# Altium PCB Thunderscope_Rev3.PCBDOC (part 2 of 6)
Units mm, origin at the board's own origin, x right, y up, seen from the top; angles counter-clockwise.
Board outline 119 x 104 mm, 6 copper layers (Top Layer, Int1 (GND), Int2 (Sign), Int3 (Sign), Int4 (GND), Bottom Layer), stack 1.49 mm thick; 575 components, 342 nets, 2000 pads, 1216 vias.
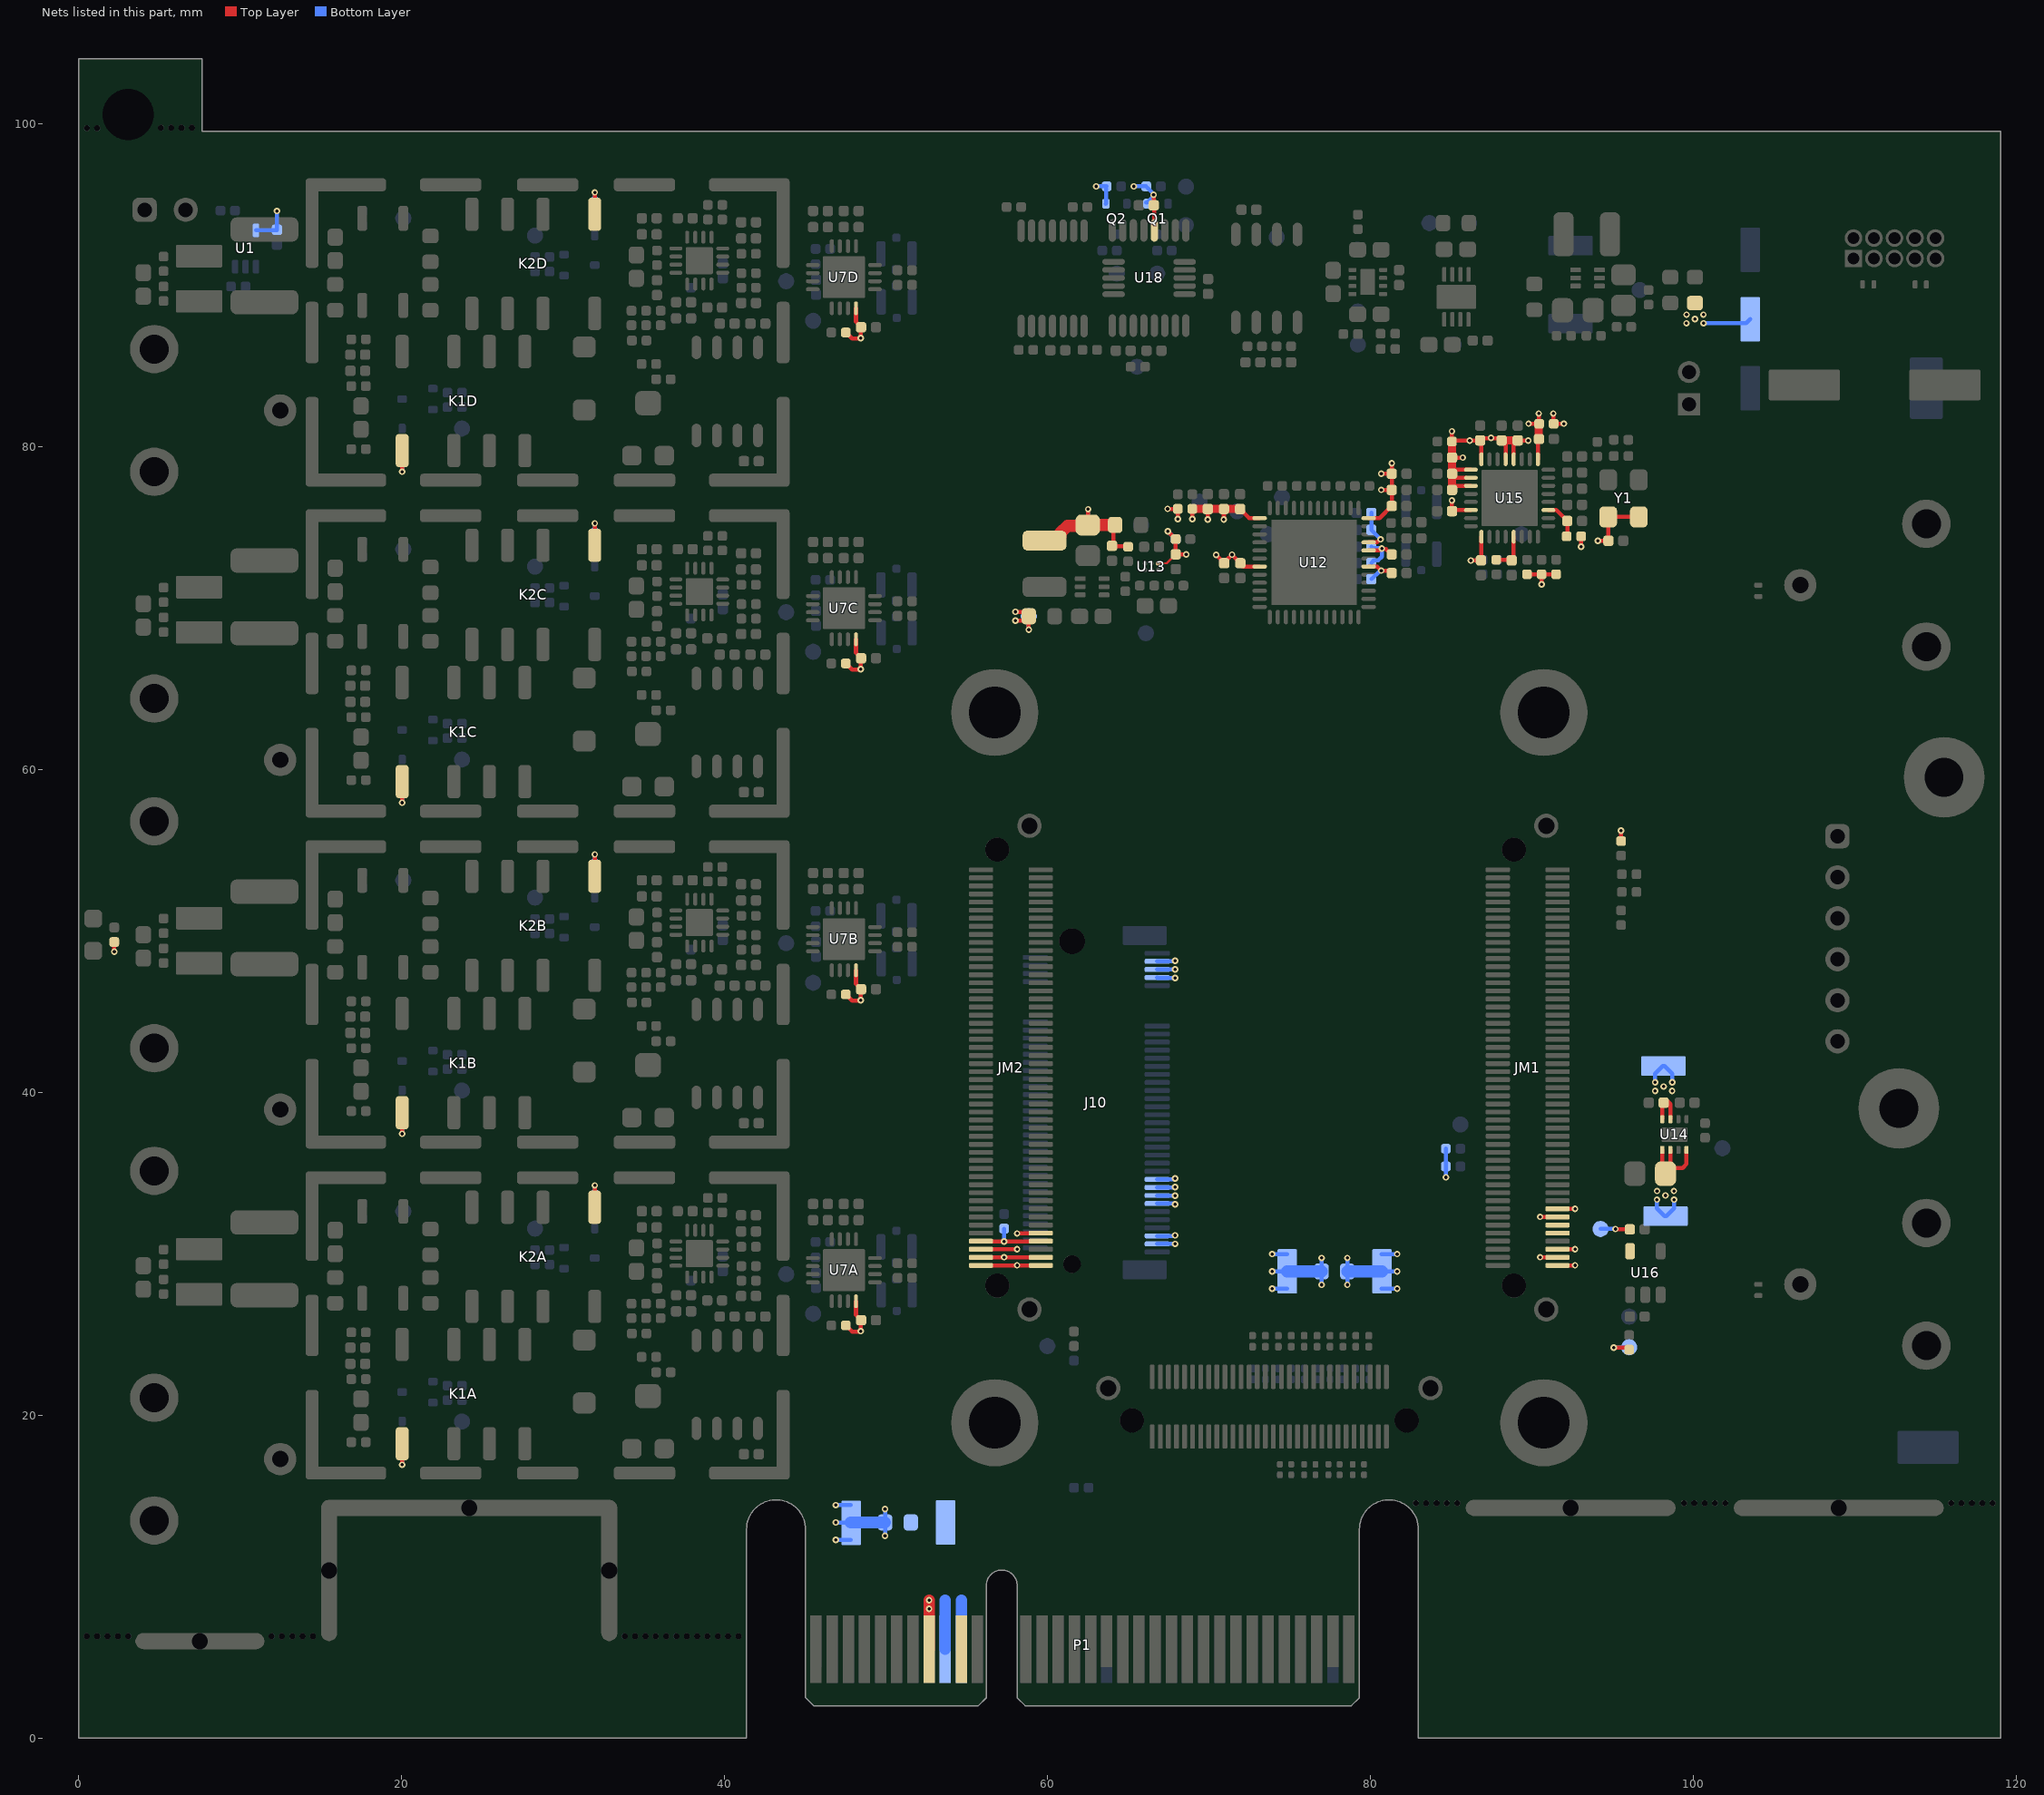
[diagram p6: the nets of this part, all layers, seen from the top]

## Components (designator, comment, footprint, x,y, rotation, side; value= is the part's Value field where it differs from the comment) (continued)
TP26B "PCB" GEN_TP_PCB 45.475,46.775 r90 bottom (schematic designator TP26)
TP26C "PCB" GEN_TP_PCB 45.475,67.275 r90 bottom (schematic designator TP26)
TP26D "PCB" GEN_TP_PCB 45.475,87.775 r90 bottom (schematic designator TP26)
TP27 "PCB" GEN_TP_PCB 61.975,69.475 r0 bottom
TP28 "PCB" GEN_TP_PCB 58.825,69.475 r90 bottom
TP29 "PCB" GEN_TP_PCB 69.4,76.575 r180 bottom
TP30 "PCB" GEN_TP_PCB 96,26.1 r90 bottom
TP31 "PCB" GEN_TP_PCB 94.225,31.525 r90 bottom
TP32 "5015" KEY_5015 98.25,32.325 r180 bottom
TP33 "PCB" GEN_TP_PCB 101.775,36.525 r180 bottom
TP34 "PCB" GEN_TP_PCB 73.625,74.55 r270 bottom
TP35 "PCB" GEN_TP_PCB 71.725,75.975 r270 bottom
TP36 "PCB" GEN_TP_PCB 65.775,75.125 r90 bottom
TP37 "PCB" GEN_TP_PCB 66.075,68.425 r90 bottom
TP38 "PCB" GEN_TP_PCB 62.475,75.125 r90 bottom
TP39 "PCB" GEN_TP_PCB 59.975,24.275 r90 bottom
TP40 "5015" KEY_5015 53.675,13.35 r90 bottom
TP41 "5015" KEY_5015 47.825,13.325 r270 bottom
TP42 "PCB" GEN_TP_PCB 68.56,96.08 r270 bottom
TP43 "PCB" GEN_TP_PCB 68.55,93.7 r270 bottom
TP44 "PCB" GEN_TP_PCB 89.325,74.55 r90 bottom
TP45 "5015" KEY_5015 74.825,28.9 r90 bottom
TP46 "5015" KEY_5015 80.7,28.9 r90 bottom
TP47 "5015" KEY_5015 98.125,41.625 r0 bottom
U1 "SN74LVC1G17" GEN_SC-70-5 10.325,92.25 r90 bottom
U2 "TPS61023" TI_SOT563_DRL0006A 93.425,90.425 r180 top
U3 "ADM7171ACPZ-5.0" AD_DFN8_CP-8-21 85.3,89.25 r90 top
U4 "LM27761" TI_WSON8_DSG0008A 79.816,90.176 r0 top
U5 "OP07CDR" TI_SOIC8_D0008A 73.555,90.4 r90 top
U6 "MCP4728" MC_MSOP10_UN 66.275,90.425 r180 top
U7A "LMH6518" TI_WQFN_RGH0016A 47.375,28.975 r270 top (schematic designator U7)
U7B "LMH6518" TI_WQFN_RGH0016A 47.375,49.475 r270 top (schematic designator U7)
U7C "LMH6518" TI_WQFN_RGH0016A 47.375,69.975 r270 top (schematic designator U7)
U7D "LMH6518" TI_WQFN_RGH0016A 47.375,90.475 r270 top (schematic designator U7)
U8A "BUF802" TI_VQFN_RGT0016C 38.425,30 r0 top (schematic designator U8)
U8B "BUF802" TI_VQFN_RGT0016C 38.425,50.5 r0 top (schematic designator U8)
U8C "BUF802" TI_VQFN_RGT0016C 38.425,71 r0 top (schematic designator U8)
U8D "BUF802" TI_VQFN_RGT0016C 38.425,91.5 r0 top (schematic designator U8)
U9A "OP07CDR" TI_SOIC8_D0008A 40.15,21.9 r90 top (schematic designator U9)
U9B "OP07CDR" TI_SOIC8_D0008A 40.15,42.4 r90 top (schematic designator U9)
U9C "OP07CDR" TI_SOIC8_D0008A 40.15,62.9 r90 top (schematic designator U9)
U9D "OP07CDR" TI_SOIC8_D0008A 40.15,83.4 r90 top (schematic designator U9)
U10A "CPC1019NTR" IXY_CPC1017 18.825,29.925 r180 top (schematic designator U10)
U10B "CPC1019NTR" IXY_CPC1017 18.825,50.425 r180 top (schematic designator U10)
U10C "CPC1019NTR" IXY_CPC1017 18.825,70.925 r180 top (schematic designator U10)
U10D "CPC1019NTR" IXY_CPC1017 18.825,91.425 r180 top (schematic designator U10)
U11 "TPS62A01" TI_SOT563_DRL0006A 62.75,71.3 r0 top
U12 "HMCAD1511" AD_QFN48_LP7 76.493,72.8 r0 top
U13 "LD57100JR" ST_FlipChip6 66.425,72.55 r90 top
U14 "TPS22975" TI_WSON8_DSG0008A 98.8,37.375 r90 top
U15 "ZL30250LDG1" MC_QFN32_ZL30250 88.6,76.8 r180 top
U16 "TPS7A2025" GEN_SOT23_5_950_2900X1600X1450 97,28.8 r90 top
U17 "MCP4432T-503E" MC_TSSOP14 60.3,90.4 r270 top
U18 "DAC8574" TI_TSSOP16_PW0016A 66.275,90.425 r90 top
VAR1A "ZV40K1210251NIR1HT" GEN_VAR_1210 7.45,28.875 r90 top (schematic designator VAR1)
VAR1B "ZV40K1210251NIR1HT" GEN_VAR_1210 7.45,49.375 r90 top (schematic designator VAR1)
VAR1C "ZV40K1210251NIR1HT" GEN_VAR_1210 7.45,69.875 r90 top (schematic designator VAR1)
VAR1D "ZV40K1210251NIR1HT" GEN_VAR_1210 7.45,90.375 r90 top (schematic designator VAR1)
Y1 "10MHz" ECS_TXO-3225 95.65,76.775 r90 top

## Footprints (in the part's own frame and the unit in brackets; to place one, negate y for a bottom-side part, rotate by r counter-clockwise, add the part's x,y. Pads: shape width x height; smd on the part's side, far side on the other; paste and mask are expansions set on the pad)
AD_DFN8_CP-8-21 [mm] "SON, 8-Leads, Body 3.00x3.00mm, Pitch 0.50mm, Thermal Pad 2.44x1.49mm, IPC Medium Density"
  rrect50% 0.9x0.25 smd: 1(-1.395,0.75) 2(-1.395,0.25) 3(-1.395,-0.25) 4(-1.395,-0.75) 5(1.395,-0.75) 6(1.395,-0.25) 7(1.395,0.25) 8(1.395,0.75)
  rrect10% 1.49x2.44 smd paste-0.745: 9(0,0)
  silkscreen extent -2.15,-1.7 1.7,1.75, body extent -1.55,-1.55 1.55,1.55, height 0.8
AD_QFN48_LP7 [mm] "QFN, 48-Leads, Body 7.00x7.00mm, Pitch 0.50mm, Thermal Pad 5.28x5.28mm, IPC Medium Density"
  oval 0.9x0.25 smd: 1(-3.375,2.75) 2(-3.375,2.25) 3(-3.375,1.75) 4(-3.375,1.25) 5(-3.375,0.75) 6(-3.375,0.25) 7(-3.375,-0.25) 8(-3.375,-0.75) 9(-3.375,-1.25) 10(-3.375,-1.75) 11(-3.375,-2.25) 12(-3.375,-2.75) 25(3.375,-2.75) 26(3.375,-2.25) 27(3.375,-1.75) 28(3.375,-1.25) 29(3.375,-0.75) 30(3.375,-0.25) 31(3.375,0.25) 32(3.375,0.75) 33(3.375,1.25) 34(3.375,1.75) 35(3.375,2.25) 36(3.375,2.75)
  oval 0.25x0.9 smd: 13(-2.75,-3.375) 14(-2.25,-3.375) 15(-1.75,-3.375) 16(-1.25,-3.375) 17(-0.75,-3.375) 18(-0.25,-3.375) 19(0.25,-3.375) 20(0.75,-3.375) 21(1.25,-3.375) 22(1.75,-3.375) 23(2.25,-3.375) 24(2.75,-3.375) 37(2.75,3.375) 38(2.25,3.375) 39(1.75,3.375) 40(1.25,3.375) 41(0.75,3.375) 42(0.25,3.375) 43(-0.25,3.375) 44(-0.75,3.375) 45(-1.25,3.375) 46(-1.75,3.375) 47(-2.25,3.375) 48(-2.75,3.375)
  rect 5.28x5.28 smd paste-5.28: 49(0,0)
  silkscreen extent -4.42,-3.65 3.65,3.65, body extent -3.5,-3.5 3.5,3.5, height 1
BOU_3mm_POT [mm]
  rrect50% 1.2x1.2 smd: 1(-1,-1.55) 3(1,-1.55)
  rrect50% 1.6x1.5 smd: 2(0,1.7)
  silkscreen extent -1.5,-0.8 1.5,1.9, body extent -1.8,-1.76 1.8,2.2, height 1.13
BOU_2051 [mm]
  rrect50% 1.5x4.2 smd: 1(-2.25,0) 2(2.25,0)
  silkscreen extent -1.3,-1.6 1.3,1.6, body extent -2.25,-1.6 2.25,1.6, height 2.7
ECS_TXO-3225 [mm]
  rrect50% 1.3x1.1 smd: 1(-1.15,-0.95) 2(1.15,-0.95) 3(1.15,0.95) 4(-1.15,0.95)
  silkscreen extent -2.05,-1.78 -1.85,-1.58, body extent -1.6,-1.25 1.6,1.25, height 0.8
EW_TRIMCAP [mm]
  rrect50% 1.4x1.3 smd: 1(0,1.95) 2(0,-1.95)
  silkscreen extent -1.6,-2.3 1.6,2.3, body extent -1.6,-2.3 1.6,2.3, height 1.5
FUJ_FTR-B3SA [mm]
  rrect50% 0.8x2.06 smd: 1(-3.8,-3.07) 2(-0.6,-3.07) 3(1.6,-3.07) 4(3.8,-3.07) 5(3.8,3.07) 6(1.6,3.07) 7(-0.6,3.07) 8(-3.8,3.07)
  silkscreen extent -5.3,-3.6 5.3,3.6, body extent -5.43,-3.73 5.43,3.73, height 5.45
GEN_1.27mm_2x5_Pin_TH_RA [mm]
  rect 1.09x1.09 hole 0.74: 1(-2.54,-0.635)
  round 1.09 hole 0.74: 2(-2.54,0.635) 3(-1.27,-0.635) 4(-1.27,0.635) 5(0,-0.635) 6(0,0.635) 7(1.27,-0.635) 8(1.27,0.635) 9(2.54,-0.635) 10(2.54,0.635)
  silkscreen extent -7.1,-0.73 6.35,7.23, body extent -6.35,-0.84 6.35,7.23, height 5.6
GEN_2.54mm_1x2_Pin_TH_RA [mm]
  rrect50% 1.5x1.5 hole 0.9: 1(-1.27,0)
  round 1.5 hole 0.9: 2(1.27,0)
  silkscreen extent -2.54,-1.27 2.54,1.27, body extent -11.18,-1.27 1.58,1.27, height 5.54
GEN_2.54mm_6_Pin_TH_RA [mm]
  rrect50% 1.5x1.5 hole 0.9: 1(-6.35,0)
  round 1.5 hole 0.9: 2(-3.81,0) 3(-1.27,0) 4(1.27,0) 5(3.81,0) 6(6.35,0)
  silkscreen extent -7.62,-1.27 7.62,1.27, body extent -7.62,-0.3 7.62,10.06, height 2.54
GEN_C_0201 [mm] "Chip Capacitor, 2-Leads, Body 0.60x0.30mm, IPC Medium Density"
  rrect50% 0.46x0.42 smd: 1(-0.34,0) 2(0.34,0)
  silkscreen extent -0.75,-0.4 0.75,0.4, body extent -0.32,-0.17 0.32,0.17, height 0.33
GEN_C_0402 [mm] "Chip Capacitor, 0402, IPC Medium Density"
  rrect50% 0.64x0.64 smd: 1(-0.46,0) 2(0.46,0)
  silkscreen extent -0.95,-0.5 0.95,0.5, body extent -0.55,-0.3 0.55,0.3, height 0.6
GEN_C_0603 [mm] "Chip Capacitor, 2-Leads, Body 1.60x0.80mm, IPC Medium Density"
  rrect50% 1.05x0.95 smd: 1(-0.725,0) 2(0.725,0)
  silkscreen extent -1.5,-0.75 1.5,0.75, body extent -0.85,-0.45 0.85,0.45, height 0.9
GEN_C_0805 [mm] "Chip Capacitor, 2-Leads, Body 2.00x1.25mm, IPC Medium Density"
  rrect50% 1.3x1.5 smd: 1(-0.95,0) 2(0.95,0)
  silkscreen extent -1.8,-0.95 1.8,0.95, body extent -1.1,-0.72 1.1,0.72, height 1.45
GEN_C_POLAR_10mm [mm]
  rrect10% 4.4x1.9 smd: 1(-4.35,0) 2(4.35,0)
  silkscreen extent -6.45,-5.15 5.15,5.15, body extent -5.5,-5.15 5.5,5.15, height 10.4
GEN_L_1210 [mm] "Chip Inductor, 2-Leads, Body 3.20x2.50mm, IPC Medium Density"
  rrect50% 1.23x2.72 smd: 1(-1.435,0) 2(1.435,0)
  silkscreen extent -2.3,-1.65 2.3,1.65, body extent -1.7,-1.35 1.7,1.35, height 1.2
GEN_R_0201 [mm] "Chip Resistor, 2-Leads, Body 0.60x0.30mm, IPC Medium Density"
  rrect50% 0.4x0.35 smd: 1(-0.325,0) 2(0.325,0)
  silkscreen extent -0.7,-0.35 0.7,0.35, body extent -0.32,-0.17 0.32,0.17, height 0.26
GEN_R_0402 [mm] "Chip Resistor, 2-Leads, Body 1.00x0.50mm, IPC Medium Density"
  rrect50% 0.6x0.6 smd: 1(-0.45,0) 2(0.45,0)
  silkscreen extent -0.92,-0.48 0.92,0.48, body extent -0.55,-0.3 0.55,0.3, height 0.4
GEN_R_0603 [mm]
  rrect50% 0.9x1 smd: 1(-0.8,0) 2(0.8,0)
  silkscreen extent -1.5,-0.75 1.5,0.75, body extent -0.9,-0.5 0.9,0.5, height 0.6
GEN_SC-70-5 [mm] "SOT23, 5-Leads, Body 2.00x2.10mm, Pitch 0.65mm, IPC Medium Density"
  rrect50% 0.85x0.4 smd: 1(-1.125,0.65) 2(-1.125,0) 3(-1.125,-0.65) 4(1.125,-0.65) 5(1.125,0.65)
  silkscreen extent -1.25,-1.1 0.3,1.53, body extent -1.2,-1.07 1.2,1.07, height 1.1
GEN_SOD_323 [mm]
  rrect50% 0.59x0.45 smd: 1(-1.055,0) 2(1.055,0)
  silkscreen extent -0.9,-0.7 0.9,0.7, body extent -1.03,-0.83 1.03,0.83, height 1.1
GEN_SOT23_5_950_2900X1600X1450 [mm] "SOT23, 5-Leads, Body 2.90x2.80mm, Pitch 0.95mm, IPC Medium Density"
  rrect50% 1x0.6 smd: 1(-1.35,0.95) 2(-1.35,0) 3(-1.35,-0.95) 4(1.35,-0.95) 5(1.35,0.95)
  silkscreen extent -1.47,-1.5 0.45,1.92, body extent -1.5,-1.5 1.5,1.5, height 1.45
GEN_SOT_323 [mm]
  rrect50% 0.47x0.6 smd: 1(0,0.95) 2(-0.65,-0.95) 3(0.65,-0.95)
  silkscreen extent -1.1,-0.7 1.1,0.7, body extent -1.23,-0.83 1.23,0.83, height 1.1
GEN_TP_PCB [mm]
  round 1 smd paste-1: 1(0,0)
GEN_VAR_1210 [mm] "Chip Varistor, 2-Leads, Body 3.20x2.54mm, IPC Medium Density"
  rrect10% 1.4x2.85 smd: 1(-1.4,0) 2(1.4,0)
  silkscreen extent -0.3,-1.32 0.3,1.33, body extent -1.75,-1.42 1.75,1.42, height 2.87
IXY_CPC1017 [mm]
  rrect50% 0.6x1.54 smd: 1(-1.27,-2.695) 2(1.27,-2.695) 3(1.27,2.695) 4(-1.27,2.695)
  silkscreen extent -2,-1.9 2,1.9, body extent -2.13,-2.03 2.13,2.03, height 2
JST_B2B-PH-K-S(LF)(SN) [mm]
  rect 1.368x1.368 hole 0.86: 1(1,-0.55)
  round 1.368 hole 0.86: 2(-1,-0.55)
  silkscreen extent -2.95,-2.25 3.7,2.25, body extent -2.95,-2.25 2.95,2.25, height 6
KEY_5015 [mm] "PC TEST POINT MICRO MINIATURE"
  rrect10% 2.75x1.2 smd: 1(0,0)
  body extent -1.56,-0.51 1.56,0.51, height 1.52
KEY_5019 [mm] "PC TEST POINT MINIATURE"
  rrect10% 3.8x2.03 smd: 1(0,0)
  body extent -1.91,-1 1.91,1.03, height 2.29
LED_0603_LTST-S270K [mm]
  rrect50% 1.1x1.1 smd: 1(-1,0) 2(1,0)
  silkscreen extent -0.2,-0.4 0.2,0.4, body extent -0.82,-0.33 0.82,0.82, height 0.6
MC_MSOP10_UN [mm] "TSSOP, 10-Leads, Body 3.00x3.00mm, Pitch 0.50mm, IPC Medium Density"
  oval 1.4x0.35 smd: 1(-2.2,1) 2(-2.2,0.5) 3(-2.2,0) 4(-2.2,-0.5) 5(-2.2,-1) 6(2.2,-1) 7(2.2,-0.5) 8(2.2,0) 9(2.2,0.5) 10(2.2,1)
  silkscreen extent -2.33,-1.5 1.1,1.85, body extent -2.45,-1.5 2.45,1.5, height 1.1
MC_QFN32_ZL30250 [mm] "QFN, 32-Leads, Body 5.00x5.00mm, Pitch 0.50mm, Thermal Pad 3.50x3.50mm, IPC Medium Density"
  oval 0.85x0.25 smd: 1(-2.4,1.75) 2(-2.4,1.25) 3(-2.4,0.75) 4(-2.4,0.25) 5(-2.4,-0.25) 6(-2.4,-0.75) 7(-2.4,-1.25) 8(-2.4,-1.75) 17(2.4,-1.75) 18(2.4,-1.25) 19(2.4,-0.75) 20(2.4,-0.25) 21(2.4,0.25) 22(2.4,0.75) 23(2.4,1.25) 24(2.4,1.75)
  oval 0.25x0.85 smd: 9(-1.75,-2.4) 10(-1.25,-2.4) 11(-0.75,-2.4) 12(-0.25,-2.4) 13(0.25,-2.4) 14(0.75,-2.4) 15(1.25,-2.4) 16(1.75,-2.4) 25(1.75,2.4) 26(1.25,2.4) 27(0.75,2.4) 28(0.25,2.4) 29(-0.25,2.4) 30(-0.75,2.4) 31(-1.25,2.4) 32(-1.75,2.4)
  rrect5% 3.5x3.5 smd paste-3.5: 33(0,0)
  silkscreen extent -3.43,-2.65 2.65,2.65, body extent -2.5,-2.5 2.5,2.5, height 1
MC_TSSOP14 [mm] "TSOP, 14-Leads, Body 5.00x4.40mm, Pitch 0.65mm, IPC Medium Density"
  oval 1.4x0.45 smd: 1(-2.95,1.95) 2(-2.95,1.3) 3(-2.95,0.65) 4(-2.95,0) 5(-2.95,-0.65) 6(-2.95,-1.3) 7(-2.95,-1.95) 8(2.95,-1.95) 9(2.95,-1.3) 10(2.95,-0.65) 11(2.95,0) 12(2.95,0.65) 13(2.95,1.3) 14(2.95,1.95)
  silkscreen extent -3.07,-2.55 1.85,2.85, body extent -3.2,-2.55 3.2,2.55, height 1.2
"MH M3" [mm]
  round 5.4 hole 3.2 unplated: 1(0,0)
MOL_0731000105 [mm] "Molex BNC Jack, TH Right Angle"
  round 2 hole 1: 1(0,-3.9)
  round 3 hole 1.8: 2(-3.8,3.9) 2(3.8,3.9)
  silkscreen extent -4.8,-0.3 4.8,8.5, body extent -4.83,-4.08 4.83,21.47, height 9.14
PCIeX4-GF-2D-1000-1K-O64 [mm] "Golden finger, PCIeX4, Dual, Opposite, Pitch 1mm, 64-Position"
  rect 0.7x3.2 smd far side paste-1: A1(-9.5,0.5)
  rect 0.7x4.2 smd far side paste-1: A2(-8.5,0) A3(-7.5,0) A4(-6.5,0) A5(-5.5,0) A6(-4.5,0) A7(-3.5,0) A8(-2.5,0) A9(-1.5,0) A10(-0.5,0) A11(0.5,0) A12(3.5,0) A13(4.5,0) A14(5.5,0) A15(6.5,0) A16(7.5,0) A17(8.5,0) A18(9.5,0) A19(10.5,0) A20(11.5,0) A21(12.5,0) A22(13.5,0) A23(14.5,0) A24(15.5,0) A25(16.5,0) A26(17.5,0) A27(18.5,0) A28(19.5,0) A29(20.5,0) A30(21.5,0) A31(22.5,0) A32(23.5,0)
  rect 0.7x4.2 smd paste-1: B1(-9.5,0) B2(-8.5,0) B3(-7.5,0) B4(-6.5,0) B5(-5.5,0) B6(-4.5,0) B7(-3.5,0) B8(-2.5,0) B9(-1.5,0) B10(-0.5,0) B11(0.5,0) B12(3.5,0) B13(4.5,0) B14(5.5,0) B15(6.5,0) B16(7.5,0) B18(9.5,0) B19(10.5,0) B20(11.5,0) B21(12.5,0) B22(13.5,0) B23(14.5,0) B24(15.5,0) B25(16.5,0) B26(17.5,0) B27(18.5,0) B28(19.5,0) B29(20.5,0) B30(21.5,0) B32(23.5,0)
  rect 0.7x3.2 smd paste-1: B17(8.5,0.5) B31(22.5,0.5)
SAM_LSHM-130-XX.X-XX-DV-A-S [mm]
  rrect50% 0.3x1.5 smd: 1(7.25,-1.85) 2(7.25,1.85) 3(6.75,-1.85) 4(6.75,1.85) 5(6.25,-1.85) 6(6.25,1.85) 7(5.75,-1.85) 8(5.75,1.85) 9(5.25,-1.85) 10(5.25,1.85) 11(4.75,-1.85) 12(4.75,1.85) 13(4.25,-1.85) 14(4.25,1.85) 15(3.75,-1.85) 16(3.75,1.85) 17(3.25,-1.85) 18(3.25,1.85) 19(2.75,-1.85) 20(2.75,1.85) 21(2.25,-1.85) 22(2.25,1.85) 23(1.75,-1.85) 24(1.75,1.85) 25(1.25,-1.85) 26(1.25,1.85) 27(0.75,-1.85) 28(0.75,1.85) 29(0.25,-1.85) 30(0.25,1.85) 31(-0.25,-1.85) 32(-0.25,1.85) 33(-0.75,-1.85) 34(-0.75,1.85) 35(-1.25,-1.85) 36(-1.25,1.85) 37(-1.75,-1.85) 38(-1.75,1.85) 39(-2.25,-1.85) 40(-2.25,1.85) 41(-2.75,-1.85) 42(-2.75,1.85) 43(-3.25,-1.85) 44(-3.25,1.85) 45(-3.75,-1.85) 46(-3.75,1.85) 47(-4.25,-1.85) 48(-4.25,1.85) 49(-4.75,-1.85) 50(-4.75,1.85) 51(-5.25,-1.85) 52(-5.25,1.85) 53(-5.75,-1.85) 54(-5.75,1.85) 55(-6.25,-1.85) 56(-6.25,1.85) 57(-6.75,-1.85) 58(-6.75,1.85) 59(-7.25,-1.85) 60(-7.25,1.85)
  round 1.5 hole 1: 61(9.975,1.15) 62(-9.975,1.15)
  round 1.5 hole 1.5 unplated: ""(-8.5,-0.85) ""(8.5,-0.85)
  silkscreen extent -11.13,-3 11.13,3, body extent -10.4,-2.49 10.4,2.64, height 5.6
SAM_LSHM-150-XX.X-XX-DV-A-S [mm]
  rrect50% 0.3x1.5 smd: 1(12.25,-1.85) 2(12.25,1.85) 3(11.75,-1.85) 4(11.75,1.85) 5(11.25,-1.85) 6(11.25,1.85) 7(10.75,-1.85) 8(10.75,1.85) 9(10.25,-1.85) 10(10.25,1.85) 11(9.75,-1.85) 12(9.75,1.85) 13(9.25,-1.85) 14(9.25,1.85) 15(8.75,-1.85) 16(8.75,1.85) 17(8.25,-1.85) 18(8.25,1.85) 19(7.75,-1.85) 20(7.75,1.85) 21(7.25,-1.85) 22(7.25,1.85) 23(6.75,-1.85) 24(6.75,1.85) 25(6.25,-1.85) 26(6.25,1.85) 27(5.75,-1.85) 28(5.75,1.85) 29(5.25,-1.85) 30(5.25,1.85) 31(4.75,-1.85) 32(4.75,1.85) 33(4.25,-1.85) 34(4.25,1.85) 35(3.75,-1.85) 36(3.75,1.85) 37(3.25,-1.85) 38(3.25,1.85) 39(2.75,-1.85) 40(2.75,1.85) 41(2.25,-1.85) 42(2.25,1.85) 43(1.75,-1.85) 44(1.75,1.85) 45(1.25,-1.85) 46(1.25,1.85) 47(0.75,-1.85) 48(0.75,1.85) 49(0.25,-1.85) 50(0.25,1.85) 51(-0.25,-1.85) 52(-0.25,1.85) 53(-0.75,-1.85) 54(-0.75,1.85) 55(-1.25,-1.85) 56(-1.25,1.85) 57(-1.75,-1.85) 58(-1.75,1.85) 59(-2.25,-1.85) 60(-2.25,1.85) 61(-2.75,-1.85) 62(-2.75,1.85) 63(-3.25,-1.85) 64(-3.25,1.85) 65(-3.75,-1.85) 66(-3.75,1.85) 67(-4.25,-1.85) 68(-4.25,1.85) 69(-4.75,-1.85) 70(-4.75,1.85) 71(-5.25,-1.85) 72(-5.25,1.85) 73(-5.75,-1.85) 74(-5.75,1.85) 75(-6.25,-1.85) 76(-6.25,1.85) 77(-6.75,-1.85) 78(-6.75,1.85) 79(-7.25,-1.85) 80(-7.25,1.85) 81(-7.75,-1.85) 82(-7.75,1.85) 83(-8.25,-1.85) 84(-8.25,1.85) 85(-8.75,-1.85) 86(-8.75,1.85) 87(-9.25,-1.85) 88(-9.25,1.85) 89(-9.75,-1.85) 90(-9.75,1.85) 91(-10.25,-1.85) 92(-10.25,1.85) 93(-10.75,-1.85) 94(-10.75,1.85) 95(-11.25,-1.85) 96(-11.25,1.85) 97(-11.75,-1.85) 98(-11.75,1.85) 99(-12.25,-1.85) 100(-12.25,1.85)
  round 1.5 hole 1: 101(14.975,1.15) 102(-14.975,1.15)
  round 1.5 hole 1.5 unplated: ""(-13.5,-0.85) ""(13.5,-0.85)
  silkscreen extent -16.12,-3 16.12,3, body extent -15.4,-2.49 15.4,2.64, height 5.6
ST_FlipChip6 [mil] "BGA, 6-Leads, Body 0.78x1.18mmx0.36mm, Pitch 0.40mm"
  round 11 smd paste+0 mask+0: A1(-7.88,15.75) A2(7.87,15.75) B1(-7.88,0) B2(7.88,0) C1(-7.87,-15.75) C2(7.88,-15.75)
  silkscreen extent -33,-31 24,41, body extent -16,-24 16,24, height 14
TE_2118728-2 [mm]
  rrect50% 0.8x5.55 smd: 1(-14.581,6.772) 1(-14.579,-6.772) 1(14.579,6.772) 1(14.581,-6.772)
  rrect50% 0.8x3.8 smd: 1(-14.579,0.003) 1(14.581,0.003)
  rrect50% 4.98x0.8 smd: 1(-12.491,9.147) 1(-12.489,-9.147) 1(12.489,9.147) 1(12.491,-9.147)
  rrect50% 3.8x0.8 smd: 1(-6.001,9.147) 1(-5.999,-9.147) 1(-0.001,9.147) 1(0.001,-9.147) 1(5.999,9.147) 1(6.001,-9.147)
  body extent -14.68,-9.25 14.68,9.25, height 7
TE_2334884-1 [mm]
  rrect50% 0.6x0.55 smd: 1(0,-0.975)
  rrect50% 0.58x1.58 smd: 2(-0.96,0) 2(0.96,0)
  rrect50% 0.5x0.5 smd: 2(0,1)
  silkscreen extent -1.05,-1.25 1,1, body extent -1,-1 1,1, height 0.6
TE_M2_KEYM_2199230 [mil]
  rrect50% 12x61 smd paste+0 mask+0: 1(-364.17,148.62) 2(-354.33,-148.62) 3(-344.49,148.62) 4(-334.65,-148.62) 5(-324.8,148.62) 6(-314.96,-148.62) 7(-305.12,148.62) 8(-295.28,-148.62) 9(-285.43,148.62) 10(-275.59,-148.62) 11(-265.75,148.62) 12(-255.91,-148.62) 13(-246.06,148.62) 14(-236.22,-148.62) 15(-226.38,148.62) 16(-216.54,-148.62) 17(-206.69,148.62) 18(-196.85,-148.62) 19(-187.01,148.62) 20(-177.17,-148.62) 21(-167.32,148.62) 22(-157.48,-148.62) 23(-147.64,148.62) 24(-137.8,-148.62) 25(-127.95,148.62) 26(-118.11,-148.62) 27(-108.27,148.62) 28(-98.43,-148.62) 29(-88.58,148.62) 30(-78.74,-148.62) 31(-68.9,148.62) 32(-59.06,-148.62) 33(-49.21,148.62) 34(-39.37,-148.62) 35(-29.53,148.62) 36(-19.69,-148.62) 37(-9.84,148.62) 38(0,-148.62) 39(9.84,148.62) 40(19.69,-148.62) 41(29.53,148.62) 42(39.37,-148.62) 43(49.21,148.62) 44(59.06,-148.62) 45(68.9,148.62) 46(78.74,-148.62) 47(88.58,148.62) 48(98.43,-148.62) 49(108.27,148.62) 50(118.11,-148.62) 51(127.95,148.62) 52(137.8,-148.62) 53(147.64,148.62) 54(157.48,-148.62) 55(167.32,148.62) 56(177.17,-148.62) 57(187.01,148.62) 58(196.85,-148.62) 67(285.43,148.62) 68(295.28,-148.62) 69(305.12,148.62) 70(314.96,-148.62) 71(324.8,148.62) 72(334.65,-148.62) 73(344.49,148.62) 74(354.33,-148.62) 75(364.17,148.62)
  rrect20% 47x108 smd: 76(-407.48,118.11) 77(407.48,118.11)
  round 43 hole 43 unplated: 78(-393.7,-59.06)
  round 63 hole 63 unplated: 79(393.7,-59.06)
  silkscreen extent -436,-177 436,239, body extent -431,-171 431,171, height 161
TI_SOIC8_D0008A [mm] "SOIC, 8-Leads, Body 4.91x3.90mm, Pitch 1.27mm, Height 1.75mm, IPC Medium Density"
  oval 1.45x0.6 smd: 1(-2.725,1.905) 2(-2.725,0.635) 3(-2.725,-0.635) 4(-2.725,-1.905) 5(2.725,-1.905) 6(2.725,-0.635) 7(2.725,0.635) 8(2.725,1.905)
  silkscreen extent -2.85,-2.5 1.6,2.88, body extent -3,-2.5 3,2.5, height 1.75
TI_SOT563_DRL0006A [mm] "SOTFL, 6-Leads, Body 1.60x1.60mm, Pitch 0.50mm, IPC Medium Density"
  rrect50% 0.67x0.3 smd: 1(-0.74,0.5) 2(-0.74,0) 3(-0.74,-0.5) 4(0.74,-0.5) 5(0.74,0) 6(0.74,0.5)